# KiCad board pandore.kicad_pcb (continued)
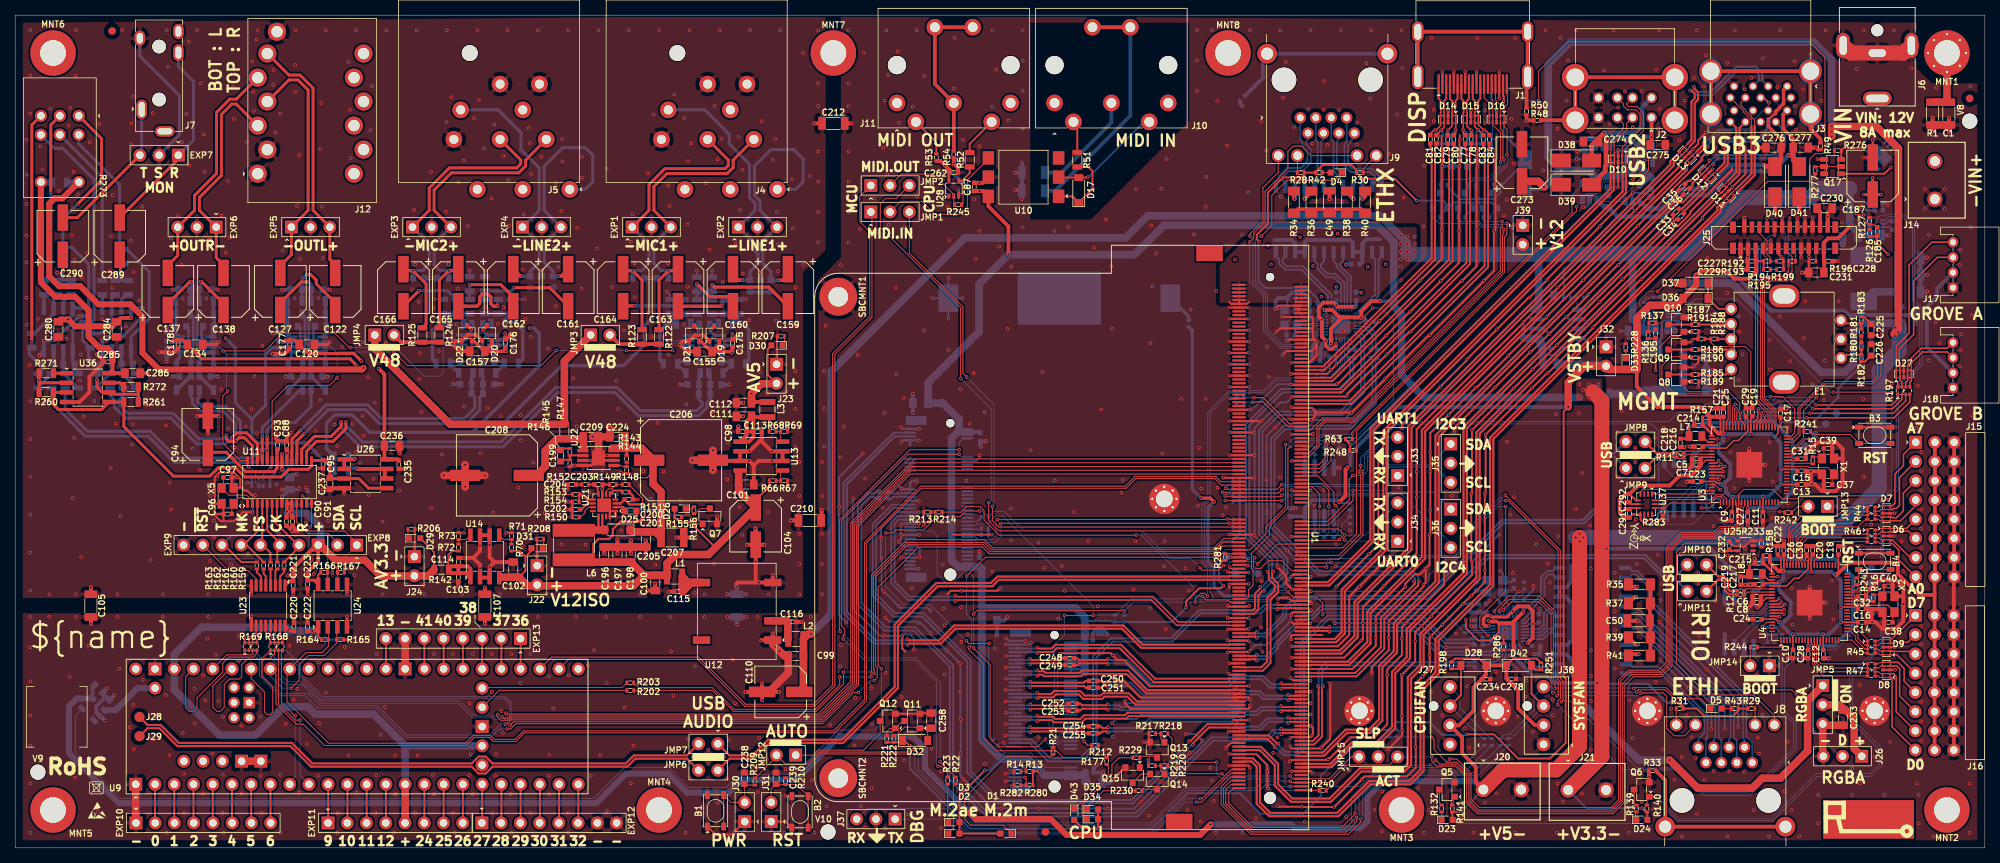
[diagram p0: board, top side]
## Routing (per net, layer and track width the routed paths; a pad name or vN(x,y) marks a point on that pad's centre or on a via; arc(x,y) is an arc through that point) (continued)
  Top w0.127: R44.2 242.48,44.45 241.32,43.3 235.95,43.3 234.37,41.72 234.37,37.45 234.28,37.35
/Real-Time MCU/RTIO.AIO7: length 16.5
  Top w0.127: U4.58 233.87,38.2 234.1,38.43 234.1,42.15 235.75,43.8 240.5,43.8 241.7,45 R44.1
/Real-Time MCU/RTIO.DIO0: length 11.2
  Top w0.127: 237.07,27.45 237.07,27.11 237.24,26.94 237.24,24.21 238.74,22.71 R47.4
/Real-Time MCU/RTIO.DIO1: length 10.6
  Top w0.127: R47.3 238.59,23.26 237.52,24.33 237.52,27.41 U4.12
/Real-Time MCU/RTIO.DIO2: length 10.1
  Top w0.127: U4.13 237.87,26.97 237.77,26.86 237.77,24.46 238.47,23.76 R47.2
/Real-Time MCU/RTIO.DIO3: length 9.5
  Top w0.127: R47.1 238.39,24.31 238.05,24.65 238.05,26.68 238.27,26.91 U4.14
/Real-Time MCU/RTIO.DIO4: length 4.6
  Top w0.127: U4.20 242.45,27.45 244.19,25.71 R45.4
/Real-Time MCU/RTIO.DIO5: length 3.9
  Top w0.127: R45.3 244.19,26.26 242.95,27.5 242.95,27.95 242.3,28.6 U4.21
/Real-Time MCU/RTIO.DIO6: length 3.9
  Top w0.127: R45.2 244.19,26.76 243.25,27.7 243.25,28.15 242.4,29 U4.22
/Real-Time MCU/RTIO.DIO7: length 4.1
  Top w0.127: 242.22,29.4 U4.23 242.68,29.4 244.51,27.57 R45.1
/USB ports/_USB3HIGH.SSTX+: length 18.9
  Top w0.127: v1(224.16,90.29) 223.93,90.29 223.55,89.92 223.55,89.87 D12.4
  Top w0.15: D12.4 222.27,88.58 222.19,88.58
  Top w0.2: D12.4 D12.4
  Top w0.28: C36.1 221.42,87.52 221.42,87.81 222.19,88.58
  Bottom w0.28: J3.18 233.62,95.11 233.62,92.51 232.19,91.09 224.72,91.09 224.16,90.53 v1(224.16,90.29)
/USB ports/_USB3HIGH.SSTX-: length 18.6
  Top w0.127: v1(223.63,90.83) 223.63,90.6 223.25,90.22 223.2,90.22 D12.5
  Top w0.15: D12.5 222.34,89.35 221.88,88.89
  Top w0.2: D12.5 D12.5
  Top w0.28: 221.88,88.89 221.11,88.12 220.82,88.12 C35.1
  Bottom w0.28: J3.17 233.19,95.11 233.19,92.69 232.01,91.52 224.54,91.52 223.86,90.83 v1(223.63,90.83)
/USB ports/_USB3LOW.SSTX+: length 23.9
  Top w0.127: 224.98,89.22 224.61,88.85 224.61,88.81 D12.1
  Top w0.15: D12.1 223.4,87.59 223.4,87.19 223.35,87.15
  Top w0.2: D12.1 D12.1
  Top w0.28: 223.35,87.15 220.29,84.08 220.29,83.79 ; 224.98,89.22 226.06,90.3 226.06,92.39 v1(226.23,92.55)
  Bottom w0.127: J3.9 234.17,99.1 233.11,98.04 233.11,97.65 231.64,96.19 231.64,95.3
  Bottom w0.28: v1(226.23,92.55) 226.06,92.71 226.06,93.07 226.28,93.28 230.26,93.28 231.63,94.66 231.63,95.42
/USB ports/_USB3LOW.SSTX-: length 23.1
  Top w0.127: D12.2 224.26,89.16 224.32,89.16 224.68,89.52
  Top w0.15: 223.05,87.45 223.05,87.95 D12.2
  Top w0.2: D12.2 D12.2
  Top w0.28: v1(225.47,92.55) 225.63,92.39 225.63,90.48 224.68,89.52 ; 219.68,84.38 219.98,84.38 223.05,87.45
  Bottom w0.127: 231.23,95.3 231.23,96.18 232.85,97.8 232.85,98.03 232.4,98.48 J3.8
  Bottom w0.28: v1(225.47,92.55) 225.63,92.71 225.63,93.25 226.1,93.72 230.08,93.72 231.21,94.84 231.21,95.42
/USB ports/USB2H.VUSB: length 17.8
  Top w0.5: J2.1 216,93.03 C275.2
  Top w0.6: v1(210.2,93.69) 210,93.49 210,90.14 209.9,90.04 209.9,89.4 D39.2
  Bottom w0.6: v1(216,93.9) 214.9,93.9 214.23,93.23 U30.1 213.28,93.59 C268.2 212.68,93.69 v1(210.2,93.69)
/USB ports/USB2L.VUSB: length 17.8
  Top w0.6: D38.2 208.1,92.8 v1(209.75,94.45)
  Bottom w0.6: C266.2 208.27,93.59 208.63,93.23 ; U29.1 208.63,93.23 ; 208.63,93.23 208.63,93.33 209.77,94.47 213.87,94.47 214.8,95.4 214.8,97.89 J2.5
/USB ports/USB3H.VUSB: length 38.7
  Top w0.45: J3.10 233.38,96.88 233.38,94.99 234.7,93.67 C277.2
  Top w0.6: D41.2 234.7,90.8 234.7,91.5 ; v1(234.1,91.5) 234.7,91.5 ; 234.7,91.5 C277.2
  Bottom w0.6: v1(234.1,91.5) 232,89.4 226.59,89.4 223.44,86.25 220.29,86.25 217.44,83.4 211.5,83.4 C272.2 209.75,84.65 U32.1
/USB ports/USB3L.VUSB: length 33.9
  Top w0.25: 231.42,96.3 231.54,96.3 232.23,97 232.38,97
  Top w0.45: 233.38,92.78 C276.2 233.1,93.62 231.42,95.3 231.42,96.3 ; J3.1 233.42,100.12 233.42,98.3 232.38,97.26 232.38,97
  Top w0.6: C276.2 233.1,90.8 D40.2 231.1,90 v1(230.9,90.2)
  Bottom w0.6: U31.1 215.4,84.45 C270.2 217.35,84.45 219.93,87.03 223.12,87.03 226.29,90.2 v1(230.9,90.2)
EARTH: length 8.8
  Top w1: R1.1 C1.2 255,98.75 MNT1.1
VPHANTOM: length 44.2
  Top w1: JMP4.1 47.47,65.92 57.44,55.95 R147.2 72.5,64.28 JMP3.1
VSTBY: length 423.3
  Top w0.2: U3.69 223.14,51.2 222.54,50.6 C7.2 ; v1(229.15,54.67) 229.1,54.72 U3.50 229.1,56.81 C19.2 ; C13.2 U3.24 v1(233.05,48) ; C23.2 U3.76 224.45,48.4 224.68,48.17 224.97,48.17 225.1,48.05 v1(225.1,48.03) ; C25.2 U3.59 225.5,54.78 v1(225.45,54.72) 225.1,55.08 U3.60 225.1,56.55 C21.2 ; C17.2 233.01,56.32 v1(233.06,56.28) 233.06,55.91 U3.41 232.7,54.75 v1(232.24,54.29) ; C216.2 222.95,53.2 U3.64 224.7,53.2 v1(224.85,53.35) ; C5.2 222.65,51.6 U3.68 ; C11.2 U3.15 v1(230.7,46.4) ; v1(233.05,50) U3.29 235.04,50 C15.2 ; v1(226.7,46.4) U3.5 226.7,44.45 C9.2
  Top w0.25: C292.2 213.95,45.9 U37.5 ; D43.A 140.94,2.54 v1(142.97,2.54) 142.95,2.56 D34.A D35.A ; v1(118.1,13.5) 117.4,14.2 D32.1 116.9,13.95 R222.1 R221.1 ; v1(243.69,67.21) 243.68,67.19 243.68,66.72 R181.1 ; R193.1 R192.1 C227.2 ; R283.1 217.5,43.7 216.6,42.8 215.1,42.8 214.55,43.35 U37.8 213.51,44.05 C291.2 ; v1(205,58.25) 204.4,57.65 204.4,22.6 204.67,22.33 204.67,13.87 202.6,11.8 198.4,11.8 195.2,15 v1(191.6,15)
  Top w0.5: R157.2 223.65,55.9 224.81,54.74 225.44,54.74 v1(225.45,54.72) ; R157.2 223.8,56.95 C21.2 C25.2 ; R157.2 223.65,57.07 222.46,58.26 216.72,58.26 214.05,60.93 214.05,63.2 ; v1(174.8,45.7) 175.6,46.5 175.6,49.95 v1(175.84,50.2) ; C291.2 212.46,43.64 211.8,44.3 211.8,46 212.55,46.75 C292.2 214.22,47.87 218.41,47.87 219.76,49.22 221.29,49.22 v1(222,49.92) 222.32,50.25 222.32,50.47 C7.2 C5.2 ; J25.5 229.75,77.55 C227.2 C229.2 229.8,76.1 228.88,75.18 226.92,75.18 225.86,76.24 222.54,76.24 v1(221.9,75.6)
  Top w0.8: v1(221.9,75.6) 221.9,74.35 D36.2
  Top w1: D36.2 219.23,71.68 215.79,71.68 214.07,69.96 214.07,63.22 214.05,63.2 D33.A 210.44,63.2 J32.2 207.14,63.64 205,61.5 v1(205,58.25)
  Bottom w0.25: R8.1 174.95,45.55 v1(174.8,45.7) ; 225.82,47.03 224.9,46.1 R231.2 ; v1(191.6,15) 191.5,14.9 188.4,14.9 186.7,16.6 182.35,16.6 181.5,15.75 R246.1 178.37,15.55 172.34,9.52 172.34,6.82 170.02,4.5 164.39,4.5 161.68,7.21 154.71,7.21 150.04,2.54 v1(142.97,2.54) 126.03,2.54 118.1,10.47 v1(118.1,13.5) ; 176.23,52.06 175.06,52.06 174.95,51.95 R9.1
  Bottom w0.3: v1(243.69,67.21) 243.69,63.73 240.65,60.69 240.65,59.51 237.37,56.23 233.1,56.23 v1(233.06,56.28)
  Bottom w0.5: PTC2.1 PTC1.1 250.55,70.4 242.04,70.4 241.47,70.97 231.73,70.97 227.1,75.6 v1(221.9,75.6) ; v1(222,49.92) 221.5,50.42 U5.8 221.5,51.68 222.1,52.27 222.11,52.27 222.4,52.57 222.4,52.58 222.75,52.92 C3.2 224.53,53.03 v1(224.85,53.35) ; v1(175.84,50.2) 176.23,50.58 176.23,52.06 182.42,58.25 v1(205,58.25) ; C2.2 170.12,43.77 U2.8 170.26,44.98 171.21,45.93 174.57,45.93 v1(174.8,45.7) ; v1(224.85,53.35) 224.85,52.22 226.4,50.67 226.4,48.95 225.47,48.03 v1(225.1,48.03) 225.31,48.03 225.82,47.51 225.82,47.03 226.45,46.4 v1(226.7,46.4) v1(230.7,46.4) 231.45,46.4 v1(233.05,48) v1(233.05,50) 233.05,53.46 231.83,54.67 v1(229.15,54.67) 225.5,54.67 v1(225.45,54.72) 225.45,53.75 225.05,53.35 v1(224.85,53.35)
  Bottom w1: R227.2 209.74,63.9 J32.2
Net-(B1-Pad3): length 11.2
  Top w0.127: 93.53,2.82 B1.4 94.49,6.01 J30.2 96.3,8.4 C238.2 96.4,8.3 R209.1
Net-(B2-Pad3): length 11.8
  Top w0.127: B2.3 B2.4 103.15,8.35 R210.1 100.55,8.35 C239.2 99.8,7.8 J31.2
Net-(B3-Pad3): length 11.2
  Top w0.127: R241.1 237.4,54.6 242.22,54.6 B3.3 B3.4
Net-(B4-Pad3): length 5.4
  Top w0.127: 247.54,36.78 243.38,36.78 243.36,36.75 243.36,35.91 R243.1
Net-(BAT1-+): length 3.9
  Bottom w0.4: R284.2 154.91,70.19 BAT1.1
Net-(C39-Pad2): length 2.7
  Top w0.127: R15.2 238.3,51.64 X1.1 238.75,51.69 C39.2
Net-(C40-Pad2): length 2.7
  Top w0.127: C40.2 246.72,33.49 X2.1 246.27,33.44 R16.2
Net-(C49-Pad2): length 9.8
  Top w0.5: R34.2 169.3,84.35 177.7,84.35 R40.2
Net-(C50-Pad2): length 9.4
  Top w0.5: R41.2 R39.2 215.85,29.95 C50.2 215.8,32.25 R37.2 R35.2
Net-(C94-+): length 13.8
  Top w0.4: C93.2 34.64,52.52 34.56,52.44 U11.22 34.56,50.11 34.15,49.7 30.42,49.7 27.87,52.25 25.64,52.25 ; 25.44,53.19 C94.1
Net-(C167-Pad1): length 3
  Bottom w0.45: C167.1 C169.2 C168.1
Net-(C170-Pad1): length 2.8
  Bottom w0.45: C170.1 C171.2 C172.1
Net-(C180-Pad2): length 15.7
  Top w0.25: v1(247.21,78.42) 245.78,79.85 C185.2 245.68,80.76 R126.1
  Bottom w1: C182.2 248.5,71.65 R131.1 ; C182.2 245.27,73.45 L4.2 ; C182.2 C181.2
Net-(C183-Pad2): length 1
  Bottom w0.2: R128.2 245.4,85.15 C183.2
Net-(C190-Pad2): length 1
  Bottom w0.2: C190.2 217.1,72.75 R135.2
Net-(C192-Pad2): length 20
  Top w0.25: v1(216.53,63.08) 216.54,63.09 C195.2 216.44,67.27 R136.1
  Bottom w1: R138.1 215.47,60 215.7,59.78 216.47,60.55 C192.2 C194.2
Net-(C204-Pad2): length 0.8
  Top w0.25: R152.2 C204.2
Net-(C233-Pad2): length 10.5
  Top w1: J26.1 242.75,13.1 242.75,17.06 241.51,18.3 241.4,18.3 C233.2 241.3,18.4 240.8,18.9 JMP5.2
Net-(D1-PadC): length 23.8
  Top w0.127: D1.C 130.42,3 126.1,3 125.36,3.74 125.36,6.66 130.73,12.03 136.68,12.03 R21.2
Net-(D2-PadC): length 6.9
  Top w0.127: D2.C 123.84,2.56 123.84,8.19 R22.2
Net-(D3-PadC): length 5.1
  Top w0.127: D3.C 123.1,3.48 R23.2
Net-(D4-PadA): length 1.1
  Top w0.127: D4.A R42.1
Net-(D5-PadA): length 1.3
  Top w0.127: R43.1 D5.A
Net-(D6-Pad1): length 5.9
  Top w0.127: D6.1 D6.1 246.17,42.2 245.97,42 R46.8
  Top w0.2: J15.13 249.65,42.2 D6.1
Net-(D6-Pad2): length 5.9
  Top w0.127: R46.7 246.01,41.45 246.26,41.7 D6.2 D6.2
  Top w0.2: J15.16 249.91,41.84 247.93,41.84 247.79,41.7 D6.2
Net-(D6-Pad4): length 6.4
  Top w0.127: R46.6 246.01,40.95 246.26,40.7 D6.4 D6.4
  Top w0.2: J15.19 250.15,38.34 247.79,40.7 D6.4
Net-(D6-Pad5): length 8
  Top w0.127: R46.5 245.98,40.4 246.18,40.2 D6.5 D6.5
  Top w0.2: J15.22 248.64,38.03 248.64,39.34 247.78,40.2 D6.5
Net-(D7-Pad1): length 12
  Top w0.127: R44.8 245.89,45 246.09,45.2 D7.1 D7.1
  Top w0.2: D7.1 247.79,45.2 248.13,45.54 248.13,49.38 249.25,50.5 249.25,51.96 J15.1
Net-(D7-Pad2): length 10.2
  Top w0.127: D7.2 D7.2 246.26,44.7 246.01,44.45 R44.7
  Top w0.2: D7.2 247.82,44.7 247.95,44.83 248.32,44.83 248.73,45.24 248.73,48.9 J15.4
Net-(D7-Pad4): length 8.9
  Top w0.127: D7.4 D7.4 246.26,43.7 246.01,43.95 R44.6
  Top w0.2: D7.4 247.75,43.7 247.84,43.61 248.34,43.61 249.24,44.51 249.24,46.87 J15.7
Net-(D7-Pad5): length 7
  Top w0.127: D7.5 D7.5 246.15,43.2 245.95,43.4 R44.5
  Top w0.2: J15.10 250.87,45.21 248.86,43.2 D7.5
Net-(D8-Pad1): length 13.1
  Top w0.127: D8.1 D8.1 246.14,22.51 245.94,22.71 R47.5
  Top w0.2: D8.1 247.54,22.51 247.75,22.3 247.75,15.99 J16.22
Net-(D8-Pad2): length 11.3
  Top w0.127: D8.2 D8.2 246.22,23.01 245.97,23.26 R47.6
  Top w0.2: D8.2 247.94,23.01 248.3,22.65 248.3,17.98 J16.19
Net-(D8-Pad4): length 10
  Top w0.127: D8.4 D8.4 246.26,24.01 246.01,23.76 R47.7
  Top w0.2: J16.16 248.75,20.07 248.75,23.68 248.38,24.05 247.9,24.05 247.86,24.01 D8.4
Net-(D8-Pad5): length 8
  Top w0.127: R47.8 245.92,24.31 246.12,24.51 D8.5 D8.5
  Top w0.2: J16.13 249.35,22.01 249.35,23.7 248.54,24.51 D8.5
Net-(D9-Pad1): length 6.4
  Top w0.127: D9.1 D9.1 246.14,25.51 245.94,25.71 R45.5
  Top w0.2: J16.10 248.39,25.51 D9.1
Net-(D9-Pad2): length 5.6
  Top w0.127: R45.6 245.87,26.26 246.12,26.01 D9.2 D9.2
  Top w0.2: J16.7 250.49,25.95 247.9,25.95 247.84,26.01 D9.2
Net-(D9-Pad4): length 5.9
  Top w0.127: D9.4 D9.4 246.12,27.01 245.87,26.76 R45.7
  Top w0.2: J16.4 249.81,27.15 248,27.15 247.86,27.01 D9.4
Net-(D9-Pad5): length 6.7
  Top w0.127: R45.8 245.92,27.31 246.12,27.51 D9.5 D9.5
  Top w0.2: J16.1 247.63,27.51 D9.5
Net-(D17-A): length 15
  Top w0.25: v1(141.6,88.6) 141.55,88.55 D17.2 137.78,88.55 137.74,88.6
  Bottom w0.25: J10.5 149,95.9 141.7,88.6 v1(141.6,88.6)
Net-(D17-C): length 10.1
  Top w0.25: 137.74,86.06 139.59,86.06 D17.1 142.2,87.05 142.2,89.4 141.65,89.95 R51.2
Net-(D18-C): length 27.2
  Top w0.25: J1.18 196.4,99.38 196.49,99.29 v1(196.49,98.61)
  Bottom w0.25: R58.1 189.05,87.34 190.66,85.72 192.77,85.72 ; 192.77,85.72 192.75,85.75 R60.1 ; 192.77,85.72 195.25,85.72 196.05,86.52 R62.1 196.3,87.6 198.8,90.1 198.8,90.4 D18.1 199.3,91.4 196.49,94.21 v1(196.49,98.61)
Net-(D23-PadC): length 1.1
  Top w0.127: R132.2 188.3,3.72 D23.C
Net-(D24-PadC): length 1.1
  Top w0.127: R139.2 213.9,4.65 213.9,3.78 D24.C
Net-(D25-A): length 7.9
  Top w0.3: 77.1,42 77,42.1 U21.13 ; D25.2 77.5,42.35 U21.14
  Top w1: L6.2 73.8,42 D25.2
Net-(D26-PadC): length 1.2
  Top w0.127: D26.C 89.35,44.8 R156.2
Net-(D28-A): length 13.7
  Top w0.25: R198.2 190.4,23.65 D28.2 190.85,20.18 J27.3
  Bottom w0.127: R200.2 193.68,14.45 J27.3
Net-(D29-PadC): length 1.3
  Top w0.127: R206.2 51.85,41.05 D29.C
Net-(D30-PadC): length 1.3
  Top w0.127: D30.C 101.55,66.63 R207.2
Net-(D31-PadC): length 1.3
  Top w0.127: D31.C 69.75,39.73 R208.2
Net-(D32-A): length 7.5
  Top w0.127: D32.2 120.45,15.71 120.55,15.81 C258.2 Q11.1 118.99,15.81 118.85,15.95 117.43,15.95 116.33,14.85 R222.2
Net-(D33-PadC): length 1
  Top w0.127: D33.C 212.61,64.68 R228.2
Net-(D34-PadC): length 12.3
  Top w0.127: R229.2 145.7,11.9 144.77,10.97 144.77,9.65 140.8,5.68 140.8,4.47 D34.C
Net-(D35-PadC): length 7.6
  Top w0.127: D35.C 141.47,5.38 143.65,7.55 R230.2
Net-(D36-C): length 5.6
  Top w0.25: E1.5 224.85,71.2 D36.1 D37.1
Net-(D42-A): length 13.9
  Top w0.25: R251.2 200.7,23.55 D42.2 200.15,20.35 J38.3
  Bottom w0.127: J38.3 197.45,14.45 R249.2
Net-(D43-PadC): length 8.2
  Top w0.127: R177.1 144.29,10.84 144.29,9.65 139.8,5.16 D43.C 139.8,5.48
Net-(E1-EA): length 3.6
  Top w0.25: R180.2 R182.2 241.43,65.12 E1.A
Net-(E1-EB): length 3.6
  Top w0.25: E1.B 241.43,69.28 243.68,69.28 R181.2
Net-(E1-LB): length 4.3
  Top w0.25: E1.4 226.43,69.13 R187.2
Net-(E1-LG): length 4.5
  Top w0.25: R186.2 225.88,65.83 E1.2
Net-(E1-LR): length 4.6
  Top w0.25: R185.2 225.83,62.53 E1.1
Net-(E1-SO): length 1.8
  Top w0.25: E1.3 224.75,67.2 R188.1
Net-(J1-CEC): length 5.3
  Top w0.127: J1.13 193.9,99.1 194.55,98.45 D16.5 D16.5
Net-(J1-DDC.CLK): length 21.6
  Top w0.127: J1.15 194.9,98.9 195.05,98.75 D16.4 D16.4 195.05,95.49 196.07,94.47 v1(196.07,90.59)
  Bottom w0.127: v1(196.07,90.59) 196.07,90.07 194.5,88.5 192,88.5 191.8,88.3 188.47,88.3 188.15,87.98 R58.2 188.15,86.55 Q2.3
Net-(J1-DDC.DATA): length 18.4
  Top w0.127: J1.16 195.4,98.8 196.05,98.15 D16.2 D16.2 196.05,94.95 196.38,94.62 196.38,91.11 v1(196.53,90.96)
  Bottom w0.127: Q3.3 191.85,86.95 R60.2 192.45,88.2 194.8,88.2 195.09,88.49 195.09,88.61 196.53,90.04 v1(196.53,90.96)
Net-(J1-HotPlugDetect): length 15.8
  Top w0.127: J1.19 196.9,99.49 197,99.39 197,98.2 196.55,97.75 D16.1 D16.1 196.55,95.29 196.94,94.9 196.94,91.53 v1(196.92,91.51)
  Bottom w0.127: v1(196.92,91.51) 197.03,91.4 197.03,91.09 196.95,91.01 196.95,90.11 195.35,88.51 195.35,87.8 R62.2 195.15,86.95 Q4.3
Net-(J1-SHD): length 30.6
  Top w0.5: R50.2 199.5,101.7 J1.0 J1.0 J1.0 J1.0
Net-(J2A-SHD): length 29.1
  Top w0.5: R48.2 201.55,96.1 201.57,96.12 J2.9 ; 205.91,96.1 J2.9 ; J2.9 J2.9 J2.9 J2.9
Net-(J3A-SHD): length 28.8
  Top w0.5: R49.2 238.3,93.65 237,94.95 237,96.9 236.98,96.92 J3.19 223.82,102.6 223.82,96.92
Net-(J6-TIP): length 7
  Top w0.25: Q17.1 246.75,89.05 v1(247.6,89.9)
Net-(J8-LEDL_A): length 2.1
  Top w0.127: J8.AL 219.27,18.38 R31.2
Net-(J8-LEDL_C): length 46
  Top w0.127: v1(214.61,20.46) 217.54,20.46 218,20 218,15.8 219,14.8 220.35,14.8 J8.CL ; 195.21,31.12 195.21,31.21 v1(195.25,31.25) 195.25,31.35 197.2,33.3 201.2,33.3 203.34,31.16 203.34,22.14 203.69,21.79 203.69,20.29 v1(203.5,20.1)
  Bottom w0.127: v1(203.5,20.1) 214.25,20.1 v1(214.61,20.46) ; v1(195.25,31.25) 195.25,31.05 U8.25
Net-(J8-LEDR_A): length 2.1
  Top w0.127: J8.AR 229.67,18.38 R29.2
Net-(J8-LEDR_C): length 51.4
  Top w0.127: 195.79,31.19 195.81,31.19 195.86,31.24 v1(195.86,31.27) 195.86,31.46 197.23,32.83 201.24,32.83 203.04,31.03 203.04,22.01 203.27,21.78 v1(203.27,21.07) ; J8.CR 232.21,17.46 229.47,20.2 218.9,20.2 217.94,21.16 213.91,21.16 213.82,21.07 v1(213.66,21.07)
  Bottom w0.127: v1(213.66,21.07) 213.61,21.12 203.32,21.12 v1(203.27,21.07) ; U8.26 196.1,31.03 v1(195.86,31.27)
Net-(J8-SHD): length 23.8
  Top w0.5: R33.2 217.8,8.95 J8.SH J8.SH
Net-(J9-LEDL_A): length 3
  Top w0.127: R30.2 177.95,89.73 J9.AL
Net-(J9-LEDL_C): length 46.5
  Top w0.127: J9.CL 171.05,91.45 169.8,92.7 168.7,92.7 168,92 168,89.72 164.99,86.71 164.99,82.69 163.5,81.2 163.5,80.58 v1(162.94,80.02)
  Bottom w0.127: v1(162.94,80.02) 162.94,74.76 164.8,72.9 164.8,68.2 167,66 170.21,66 171.99,67.78 U7.25
Net-(J9-LEDR_A): length 2.3
  Top w0.127: J9.AR 169.27,89.22 R28.2
Net-(J9-LEDR_C): length 35.2
  Top w0.127: J9.CR 166.73,89.23 164.7,87.2 164.7,82.8 163,81.1 v1(163,80.8)
  Bottom w0.127: U7.26 172.03,68.18 170.11,66.25 167.11,66.25 165.05,68.31 165.05,73.01 163.37,74.69 163.37,80.43 v1(163,80.8)
Net-(J9-SHD): length 22.7
  Bottom w0.5: J9.SH J9.SH 164.7,104.35 164.7,101.7 R32.2
Net-(J10-CSRC): length 4.3
  Top w0.25: J10.4 140.2,95.4 R51.1
Net-(J10-GND): length 32.1
  Top w0.5: J10.G J10.G
  Bottom w0.5: C85.1 137.3,86.8 147.2,96.7 J10.G
Net-(J10-SHIELD): length 14.1
  Bottom w0.5: C86.1 138.1,89.2 144.7,95.8 J10.2
Net-(J11-CSINK): length 5.4
  Top w0.25: R53.1 121.6,93.2 J11.4
Net-(J11-CSRC): length 5.3
  Top w0.25: R52.1 126,93 J11.5
Net-(J11-GND-Pad2): length 22.4
  Top w0.5: J11.G J11.G 121.4,100.9 J11.2 R54.2
Net-(J13-CFG1): length 2.8
  Top w0.127: R14.1 R13.2 133.45,10.55 v1(133.3,10.7)
  Bottom w0.127: v1(133.3,10.7) 132.95,10.35 J13.69
Net-(J13-PE.~{CLKREQ}): length 3.3
  Top w0.127: R212.1 141.5,13.55 141.5,13.65 v1(141.1,14.05)
  Bottom w0.127: 139.32,14.6 140.55,14.6 v1(141.1,14.05)
Net-(J13-SUSCLK): length 11
  Bottom w0.127: R279.2 129.72,13.38 130.59,12.51 134.09,12.51 136,10.6 139.32,10.6
Net-(J13-VIOCFG): length 3.1
  Top w0.127: v1(133.3,9.3) 133.45,9.15 R280.2 R282.2
  Bottom w0.127: J13.73 133.25,9.35 v1(133.3,9.3)
Net-(J13-~{LED1}): length 13.6
  Top w0.127: v1(137,14.3) R21.1
  Bottom w0.127: J13.10 138,25.1 137.6,24.7 137.6,20.4 137,19.8 v1(137,14.3)
Net-(J17-D0): length 23.9
  Top w0.2: R197.8 248.5,61.5 248.3,61.7 D27.1 D27.1 248.3,66.3 250,68 250,77 253,80 J17.1
Net-(J17-D1): length 21.4
  Top w0.2: J17.2 253.72,78 250.6,74.88 250.6,67.8 248.7,65.9 248.7,63.8 248.8,63.7 D27.2 D27.2 248.8,61.8 249.05,61.55 R197.7
Net-(J18-D0): length 10.5
  Top w0.2: R197.6 249.55,61.45 249.8,61.7 D27.4 D27.4 249.8,63.65 249.9,63.75 249.9,64.3 251.6,66 255.05,66 J18.1
Net-(J18-D1): length 9.6
  Top w0.2: J18.2 255.05,65.5 251.75,65.5 250.3,64.05 D27.5 D27.5 250.3,61.7 250.1,61.5 R197.5
Net-(J19-PE.~{CLKREQ0}): length 4.6
  Top w0.127: R214.2 R213.1 120.85,43.53 v1(119.93,42.62)
  Bottom w0.127: v1(119.93,42.62) 119.67,42.35 J19.53
Net-(J19-SUSCLK): length 2.1
  Bottom w0.127: R278.2 126.95,43.1 J19.50
Net-(J19-~{LED1}): length 66
  Top w0.127: v1(122.1,11.4) 122.1,11.35 R22.1 ; v1(108.9,28.6) 108.8,28.7 108.8,43.3 118.1,52.6 v1(124.6,52.6)
  Bottom w0.127: v1(124.6,52.6) 124.6,53.5 125.2,54.1 J19.6 ; v1(108.9,28.6) 112.4,25.1 118.9,25.1 122.1,21.9 v1(122.1,11.4)
Net-(J19-~{LED2}): length 64.4
  Top w0.127: v1(109.3,27.6) 109.3,28 109.5,28.2 109.5,28.9 109.06,29.34 109.06,43.19 117.86,52 v1(124.6,52) ; v1(121.8,10.8) 122.2,10.8 123.1,9.9 R23.1
  Bottom w0.127: v1(124.6,52) 125,51.6 J19.16 ; v1(109.3,27.6) 112.1,24.8 118.8,24.8 121.6,22 121.6,11 v1(121.8,10.8)
Net-(J19-~{W_DISABLE1}): length 2
  Bottom w0.127: J19.56 127.3,41.6 R215.2
Net-(J19-~{W_DISABLE2}): length 1.9
  Bottom w0.127: J19.54 127.45,42.1 R216.2
Net-(J25-BS1): length 5.9
  Top w0.127: J25.6 230.25,81.2 231.24,80.21 231.24,78.42 231.7,77.96 R192.2 R194.2
Net-(J25-BS2): length 4
  Top w0.127: J25.7 230.75,78.4 231.31,77.84 231.31,76.79 R193.2 R195.2
Net-(J25-D2): length 1.8
  Top w0.127: J25.15 235,78.95 R199.1
Net-(J25-IREF): length 1.7
  Top w0.127: J25.21 237.7,79.15 R196.2
Net-(J25-VCOMH): length 2.7
  Top w0.5: C230.2 238.25,84.1 J25.22
Net-(J27-Pad4): length 9.2
  Bottom w0.127: R201.2 194.75,14.45 190.7,18.5 190.7,19.97 J27.4
Net-(J38-Pad4): length 9.6
  Bottom w0.127: R250.2 196.65,15 197.3,15 200.5,18.2 200.5,20.04 J38.4
Net-(JMP3-Pad2): length 7
  Top w0.5: R122.2 R123.2 79.71,66.55 JMP3.2
Net-(JMP4-Pad2): length 6.4
  Top w0.5: R124.2 R125.2 50.96,66.8 JMP4.2
Net-(JMP13-Pad2): length 2.5
  Top w0.127: R242.1 235.32,45.11 JMP13.2
Net-(JMP14-Pad2): length 2.5
  Top w0.127: JMP14.2 229.02,26.48 R244.1
Net-(Q1-D): length 6.3
  Bottom w0.35: R55.4 R55.1 189.68,93.04 Q1.3 191.67,93.03 R56.4 R56.1
Net-(Q1-G): length 1.3
  Bottom w0.127: R176.2 191.99,90.04 Q1.1
Net-(Q5-D): length 2.2
  Top w0.127: R132.1 188,5.95 Q5.3
Net-(Q5-G): length 146.4
  Top w0.127: R141.2 v1(189.7,6.1) 189.7,6.45 Q5.1
  Bottom w0.127: v1(189.7,6.1) 189.7,3.84 190.32,3.22 214.09,3.22 215.93,5.06 217.94,5.06 219.41,3.59 231.98,3.59 237.84,9.45 244.9,9.45 244.95,9.5 245.03,9.5 246.38,10.85 246.38,10.93 246.39,10.94 246.39,13.14 242.51,17.02 242.51,22.64 246.58,26.71 246.58,45.89 248.31,47.62 248.31,60.82 251.4,63.91 251.4,71.32 250.47,72.25 250.47,82.04 249.13,83.38 247.28,83.38 246.8,82.9 U19.5
Net-(Q6-D): length 2.2
  Top w0.127: R139.1 213.9,5.65 213.7,5.85 Q6.3
Net-(Q6-G): length 124.3
  Top w0.127: v1(216.54,6.73) 216.52,6.75 Q6.1 215.4,6.45 R140.2 ; v1(239.99,60.2) 247.68,60.2 v1(247.73,60.15)
  Bottom w0.127: v1(216.54,6.73) 216.71,6.73 219.53,3.91 231.79,3.91 237.69,9.81 244.9,9.81 246.07,10.98 246.07,12.92 242.13,16.86 242.13,22.75 246.27,26.89 246.27,46.01 247.73,47.47 v1(247.73,60.15) ; U20.5 219.68,72.03 221.3,72.03 221.78,72.51 227.21,72.51 239.52,60.2 v1(239.99,60.2)
Net-(Q7-D): length 2.4
  Top w0.127: Q7.3 90.4,44.8 89.75,44.15 R156.1
Net-(Q7-G): length 15.2
  Top w0.127: Q7.1 90.1,42.8 88.9,44 v1(88.8,44) 88.45,44 88.15,43.7 R155.2 ; v1(79.4,46.7) 79.22,46.53 U21.4
  Bottom w0.127: v1(79.4,46.7) 79.4,45.8 80.7,44.5 86,44.5 86.5,44 v1(88.8,44)
Net-(Q8-D): length 3
  Top w0.25: 221.32,62.53 Q8.3
Net-(Q9-D): length 3
  Top w0.25: 221.32,65.83 Q9.3
Net-(Q10-D): length 3
  Top w0.25: 221.32,69.13 Q10.3
Net-(Q11-D): length 3.5
  Top w0.127: R221.2 115.05,15.35 115.48,15.78 116.15,15.78 Q12.1 117.13,16.76 Q11.3
Net-(Q12-D): length 14
  Top w0.127: JMP12.1 105.32,12.25 105.98,12.91 111.99,12.91 114.18,15.1 Q12.3
Net-(Q13-D): length 3.7
  Top w0.127: Q15.1 R229.1 148.65,12.1 150.6,12.1 Q13.3
Net-(Q13-G): length 2
  Top w0.127: R217.1 R218.2 151.25,14.4 Q13.1
Net-(Q14-D): length 2.1
  Top w0.127: Q14.3 148.95,7.75 R230.1
Net-(Q14-G): length 2
  Top w0.127: R219.1 R220.2 151.25,10.2 Q14.1
Net-(Q14-S): length 2.8
  Top w0.127: Q14.2 148.65,9.75 Q15.3
Net-(Q16-G): length 6
  Top w0.25: v1(243.9,92.5) 241.45,92.5 R276.1 241.05,91 Q17.3
  Bottom w0.25: Q16.4 244.61,91.79 v1(243.9,92.5)
Net-(Q17A-B1): length 4.4
  Top w0.127: Q17.2 Q17.5 ; Q17.5 Q17.6 ; Q17.5 237.65,90 R277.1
Net-(R169-Pad7): length 1.4
  Top w0.127: R169.7 30.85,27.75 v1(30.9,27.8)
  Bottom w0.127: R169.7 30.85,27.75 v1(30.9,27.8)
Net-(R169-Pad8): length 1.5
  Top w0.127: R169.8 30.3,27.7 v1(30.2,27.8)
  Bottom w0.127: R169.8 30.3,27.7 v1(30.2,27.8)
Net-(R264-Pad1): length 22.6
  Top w0.4: v1(4.7,86.6) 4.7,95.5 R273.2
  Bottom w0.4: v1(4.7,86.6) 4.7,75.85 R264.1
Net-(R269-Pad1): length 21.6
  Bottom w0.4: R269.1 11.5,88.6 R273.5
Net-(T1A-TCT): length 21.3
  Bottom w0.5: T1.3 T1.4 176.57,79.92 176.2,80.3 170.5,80.3 170.22,80.03 T1.9 T1.10 168.95,79.85 168.5,80.3 166.2,80.3 ; T1.3 177.85,77.48 C51.2 ; T1.3 177.85,79.85 178.4,80.4 180.2,80.4
Net-(T1A-TXCT): length 2.9
  Top w0.5: v1(177.85,85.74) 178.2,86.09 R40.1
  Bottom w0.5: v1(177.85,85.74) 177.84,85.75 T1.22
Net-(T1B-RXCT): length 3.2
  Top w0.5: R38.1 175.8,86.59 v1(176.67,85.72)
  Bottom w0.5: v1(176.67,85.72) 176.57,85.81 T1.21
Net-(T1C-TXCT): length 3
  Top w0.5: v1(170.19,85.73) 171.1,86.64 R36.1
  Bottom w0.5: T1.16 170.22,85.77 v1(170.19,85.73)
Net-(T1D-RXCT): length 2.7
  Top w0.5: R34.1 168.8,85.79 v1(168.87,85.72)
  Bottom w0.5: T1.15 168.95,85.8 v1(168.87,85.72)
Net-(T2A-TCT): length 20.9
  Bottom w0.5: C52.2 203.88,25.55 T2.3 ; T2.3 204.78,25.56 205.52,24.81 205.52,22.74 ; T2.3 T2.4 204.9,26.83 205.54,27.47 205.54,32.29 204.66,33.17 T2.9 T2.10 204.78,34.44 205.42,35.09 205.42,37.3
Net-(T2A-TXCT): length 3.1
  Top w0.5: R41.1 213.15,25.6 v1(214.3,25.6)
  Bottom w0.5: v1(214.3,25.6) 214.25,25.56 T2.22
Net-(T2B-RXCT): length 3.2
  Top w0.5: v1(214.2,26.9) 213.85,26.9 R39.1
  Bottom w0.5: v1(214.2,26.9) 214.12,26.83 T2.21
Net-(T2C-TXCT): length 2.9
  Top w0.5: v1(214,33.1) 213.75,33.1 R37.1
  Bottom w0.5: T2.16 213.93,33.17 v1(214,33.1)
Net-(T2D-RXCT): length 2.9
  Top w0.5: R35.1 213.25,34.5 v1(214.1,34.5)
  Bottom w0.5: v1(214.1,34.5) 214.04,34.44 T2.15
Net-(U1A-TCP0_HPD): length 9.1
  Top w0.15: U1.187 168.69,56.12 168.58,56.01 168.2,56.01 164.74,59.47 v1(163.5,59.47)
  Bottom w0.15: v1(163.5,59.47) 162.2,59.47 R211.1
Net-(U1A-TCP1_HPD): length 9.1
  Top w0.15: v1(163.35,58.84) 163.43,58.92 164.73,58.92 168.03,55.62 U1.185
  Bottom w0.15: v1(163.35,58.84) 162.4,58.84 R285.1
Net-(U1A-~{PROCHOT}): length 88.6
  Top w0.127: v1(158.98,38.39) 128.08,38.39 v1(125.6,35.91) ; R177.2 138.35,11.94 137.46,12.83 129.49,12.83 127.84,14.48 127.84,24.24 125.92,26.16 v1(125.92,26.52) ; U1.117 168.5,36.62 167.18,37.94 165.42,37.94 164.4,36.92 163.7,36.92 163.45,37.17 163.45,38.16 v1(163.62,38.33)
  Bottom w0.127: v1(125.92,26.52) 126.24,26.84 126.24,30.19 125.58,30.85 125.58,35.89 v1(125.6,35.91) ; v1(163.62,38.33) 163.5,38.33 162.43,39.4 159.8,39.4 158.98,38.58 v1(158.98,38.39)
